# KiCad board polygonus-Shortage-Version.kicad_pcb (continued)
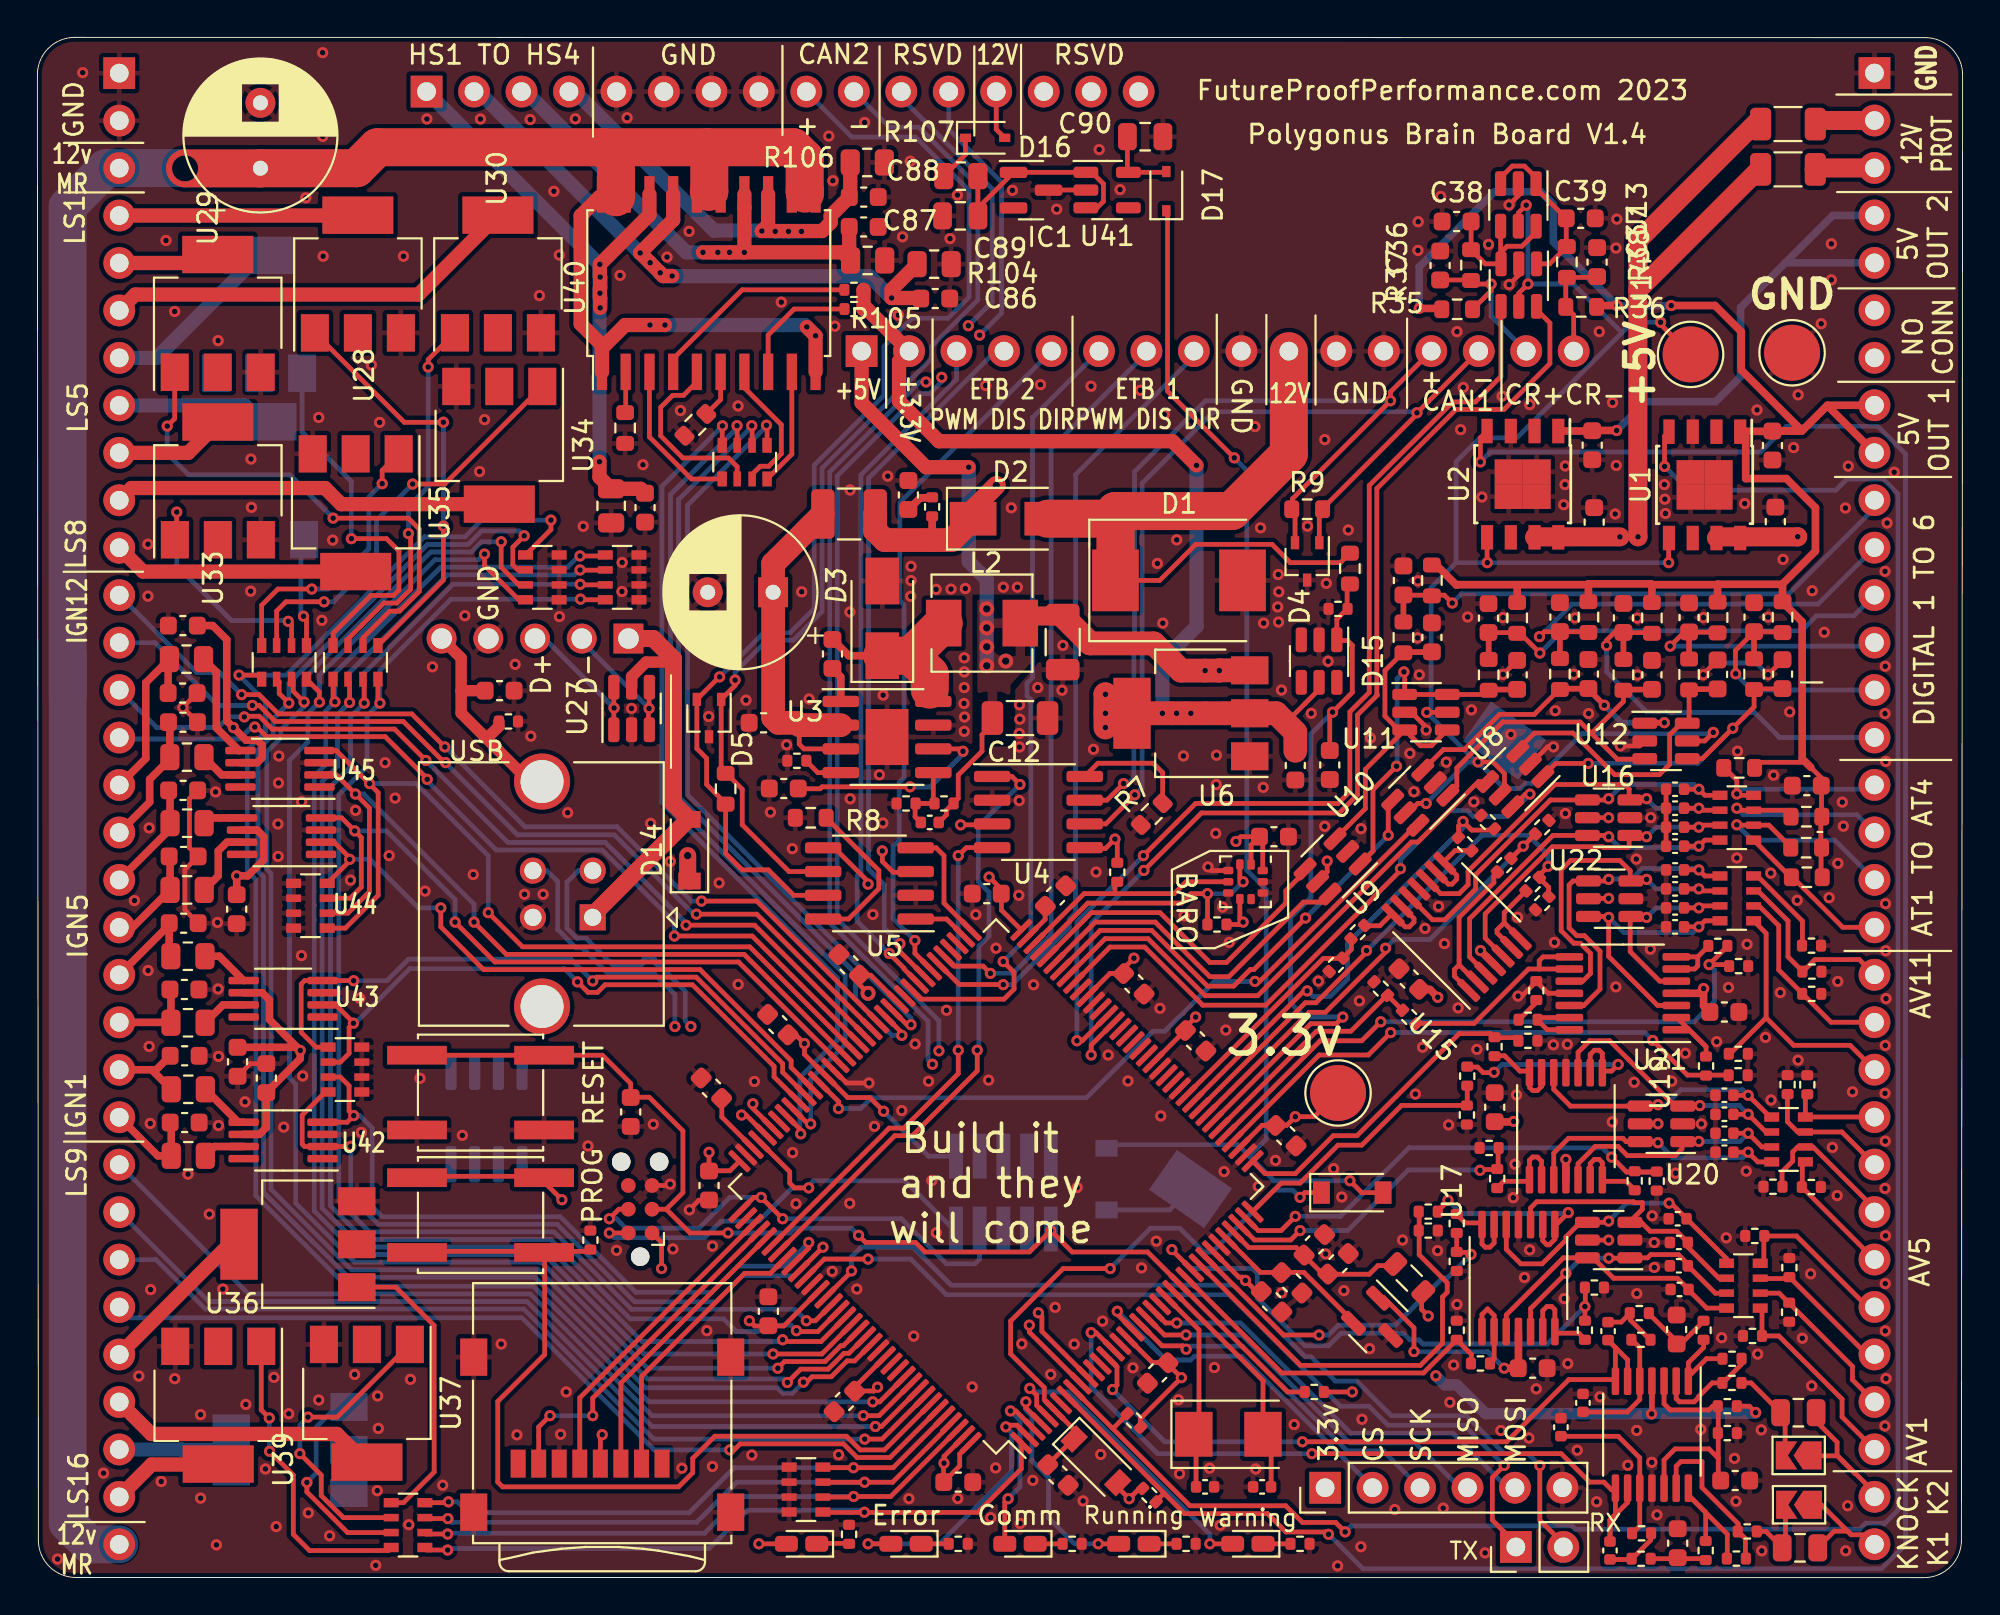
[diagram p0: board, top side]
## Routing (per net, layer and track width the routed paths; a pad name or vN(x,y) marks a point on that pad's centre or on a via; arc(x,y) is an arc through that point) (continued)
/LS6: length 6
  Top w0.762: U33.4 9.66,61.78 8.07,60.2 J4.9
/LS7: length 21
  Top w0.762: U34.4 16.25,57.45 15.39,58.32 5.04,58.32 J4.10
/LS8: length 13.2
  Top w0.762: U35.4 5.66,53.85 J4.11
/LS9: length 48.7
  Top w0.254: v1(44.19,8.67) 45.03,8.67 U26.135
  Bottom w0.254: J4.24 11.29,15.19 26.37,15.19 32.88,8.67 v1(44.19,8.67)
/LS10: length 48.3
  Top w0.254: v1(44.84,8.09) 45.16,8.09 U26.136
  Bottom w0.254: J4.25 9.16,14.78 26.2,14.78 32.89,8.09 v1(44.84,8.09)
/LS11: length 48
  Top w0.254: U26.137 45.19,7.41 v1(44.27,7.41)
  Bottom w0.254: v1(44.27,7.41) 32.99,7.41 26.03,14.37 8.99,14.37 6.35,17.02 J4.26
/LS12: length 48.5
  Top w0.254: U26.139 45.62,6.43 43.86,6.43 43.13,7.16 37.6,7.16 37.28,6.84 v1(37.05,6.84)
  Bottom w0.254: J4.27 4.95,13.91 25.92,13.91 32.99,6.84 v1(37.05,6.84)
/LS13: length 8.9
  Top w0.762: J4.28 10.28,17.84 U36.4
/LS14: length 14.6
  Top w0.765: U37.4 17.53,6.18 16.02,7.69 6.09,7.69 J4.29
/LS15: length 6
  Bottom w0.762: U38.4 7.72,6.83 7.7,6.86 J4.30
/LS16: length 6
  Top w0.765: J4.31 6.11,6.05 9.65,6.05 U39.4
/mcu/AT1: length 24.9
  Top w0.254: 78.82,38.48 v1(79.5,39.15) 80.17,39.82 ; U26.44 68.04,30.26 68.91,30.26 72.13,33.48 v1(72.13,33.69)
  Bottom w0.254: v1(72.13,33.69) 72.59,34.15 74.5,34.15 v1(79.5,39.15)
/mcu/AT2: length 27.8
  Top w0.254: v1(80.83,38.07) 80.35,37.59 80.35,37.46 80.86,36.95 80.86,36.44 ; U26.45 67.84,30.77 68.41,30.77 71.11,33.47 v1(71.11,33.56)
  Bottom w0.254: v1(71.11,33.56) 77.28,39.73 79.77,39.73 80.83,38.67 v1(80.83,38.07)
/mcu/AT3: length 24.9
  Top w0.254: v1(67.94,31.4) 67.77,31.4 U26.46 ; 76.04,39.6 76.04,40.23 v1(76.28,40.47) 76.74,40.01 77.79,40.01
  Bottom w0.254: v1(76.28,40.47) 76.28,40.12 70.1,33.94 70.1,32.04 69.16,31.1 68.24,31.1 v1(67.94,31.4)
/mcu/AT4: length 12.6
  Top w0.254: 70.3,34.2 70.3,33.62 69.82,33.14 68.8,33.14 U26.47
/mcu/AUX_SPI_CS: length 19.2
  Top w0.254: U26.18 57.78,14.1 v1(57.78,14.26)
  Bottom w0.254: v1(57.78,14.26) 60.39,11.65 61.7,11.65 61.91,11.85 64.43,11.85 71.44,4.84 J11.2
/mcu/AUX_SPI_MISO: length 20.9
  Top w0.254: U26.20 60.31,12.99 v1(61.46,12.99)
  Bottom w0.254: v1(61.46,12.99) 64.44,12.99 70.21,7.22 73.71,7.22 76.11,4.81 J11.4
/mcu/AUX_SPI_MOSI: length 23.3
  Top w0.254: U26.21 60.37,13.63 v1(60.96,13.63)
  Bottom w0.254: J11.5 78.65,4.81 75.74,7.73 70.28,7.73 64.37,13.63 v1(60.96,13.63)
/mcu/AUX_SPI_SCK: length 18.7
  Top w0.254: v1(61.46,12.22) 61.28,12.41 60.18,12.41 U26.19
  Bottom w0.254: v1(61.46,12.22) 61.62,12.38 64.47,12.38 70.08,6.77 72.01,6.77 J11.3
/mcu/BARO_SCL: length 14.9
  Top w0.254: U24.2 64.34,37.42 v1(64.51,37.24) ; 62.61,34.98 v1(62.61,36.61) 61.72,36.61 61.21,36.1 56.2,36.1 U26.69
  Bottom w0.254: v1(62.61,36.61) 63.88,36.61 v1(64.51,37.24)
/mcu/BARO_SDA: length 12.4
  Top w0.254: 57.65,36.61 57.65,37.14 57.78,37.27 ; 57.65,36.61 56,36.61 U26.70 ; 57.65,36.61 60.83,36.61 61.46,37.24 U24.4
/mcu/BOOT0: length 48.9
  Top w0.254: 29.59,17.58 29.47,17.46 27.14,17.46 ; 27.14,17.46 20.34,17.46 ; 27.14,17.46 27.14,11.94 24.63,9.43 24.63,5.11 24.89,4.86 34.31,4.86 35.06,5.62 35.06,6.38 36.25,7.57 43.3,7.57 44.03,6.84 45.32,6.84 U26.138
/mcu/CAN2_RX: length 6.3
  Top w0.254: U5.4 48.09,39.06 48.51,38.64 48.51,36.1 49.94,34.67 U26.73
/mcu/CAN2_TX: length 3
  Top w0.254: U5.1 48.65,35.25 U26.74
/mcu/CAN_RX: length 27.4
  Top w0.254: v1(49.27,28.23) 49.27,26.98 46.36,24.06 45.58,24.06 U26.114 ; U4.4 49.7,39.07 v1(49.27,38.64)
  Bottom w0.254: v1(49.27,38.64) v1(49.27,28.23)
/mcu/CAN_TX: length 33
  Top w0.254: U4.1 52.14,42.88 v1(52.57,42.45) ; U26.115 45.88,23.65 46.81,23.65 50.29,27.13 v1(50.29,28.23)
  Bottom w0.254: v1(50.29,28.23) 50.37,28.31 50.37,33.79 50.92,34.34 50.92,36.68 50.34,37.26 50.34,40.22 v1(52.57,42.45)
/mcu/DIGITAL1: length 38.9
  Top w0.254: 73.55,40.21 73.55,40.06 65.4,31.91 v1(65.15,31.91) ; v1(42.86,25.1) 42.86,25.48 U26.96
  Bottom w0.254: v1(65.15,31.91) 62.99,31.91 60.32,29.24 59.68,29.24 56.13,25.69 44.63,25.69 44.04,25.1 v1(42.86,25.1)
/mcu/DIGITAL2: length 32.9
  Top w0.254: v1(72.93,37.94) 72.93,37.85 65.72,30.64 62.35,30.64 59.24,33.75 57.39,33.75 U26.64 ; v1(79.86,41.93) 79.61,41.93 U8.6
  Bottom w0.254: v1(79.86,41.93) 78.66,40.74 76.83,40.74 76.52,41.05 76.04,41.05 76.04,41.05 75.55,41.05 72.93,38.43 v1(72.93,37.94)
/mcu/DIGITAL3: length 29.3
  Top w0.254: U26.65 57.13,34.2 59.43,34.2 62.48,31.15 65.29,31.15 73.52,39.37 73.87,39.37 77.1,42.6 U8.4
/mcu/DIGITAL4: length 18.7
  Top w0.254: U9.6 68.74,36.16 67.74,36.16 63.75,32.16 62.73,32.16 59.81,35.08 56.6,35.08 U26.67
/mcu/DIGITAL5: length 24.9
  Top w0.254: v1(72.28,39.73) 72.28,41.37 U10.4 ; U26.66 56.86,34.64 59.62,34.64 62.61,31.66 64,31.66 64.89,32.54 65.09,32.54 v1(67.85,35.3)
  Bottom w0.254: v1(72.28,39.73) v1(67.85,35.3)
/mcu/DIGITAL6: length 18.2
  Top w0.254: U26.68 56.4,35.59 60.07,35.59 62.73,32.93 63.62,32.93 66.8,36.1 66.8,36.77 67.82,37.79
/mcu/LED1: length 14.5
  Top w0.254: D10.2 v1(44.44,1.81) ; v1(51.82,8.07) 51.91,8.16 52.41,8.16 U26.2
  Bottom w0.254: v1(44.44,1.81) 48.25,1.81 52.12,5.68 52.12,7.77 v1(51.82,8.07)
/mcu/LED2: length 9.4
  Top w0.254: U26.3 52.35,8.92 v1(52.06,8.92) ; v1(51.94,4.22) 51.76,4.05 D11.2
  Bottom w0.254: v1(51.94,4.22) 52.57,4.86 52.57,8.41 v1(52.06,8.92)
/mcu/LED3: length 12.5
  Top w0.254: D12.2 v1(56.76,1.81) ; U26.4 52.89,9.09 v1(52.89,9.41)
  Bottom w0.254: v1(56.76,1.81) 55.49,1.81 54.1,3.21 54.1,5.37 53.21,6.26 53.21,8.66 52.89,8.98 v1(52.89,9.41)
/mcu/LED4: length 16.5
  Top w0.254: U26.5 53.47,9.22 53.47,9.76 v1(53.1,10.13) ; v1(62.73,1.81) D13.2
  Bottom w0.254: v1(53.1,10.13) 53.29,9.94 55.11,9.94 62.73,2.32 v1(62.73,1.81)
/mcu/nRESET: length 61.1
  Top w0.254: v1(43.94,18.32) 44.32,17.94 46.98,17.94 47.49,17.43 53.08,17.43 v1(54.22,18.57) 55.37,17.43 59.4,17.43 U26.25 66.89,9.94 67.84,9.94 ; SW1.1 SW1.1 30.23,27.96 31.74,26.45 31.74,25.71 32.74,25.71 34.54,23.91 34.54,20.61 33.65,19.72 ; J9.3 33.65,19.72 ; 33.65,19.72 34.92,18.45 v1(36.95,18.45)
  Bottom w0.254: J8.10 v1(54.22,18.57) ; v1(43.94,18.32) 43.56,18.7 40.51,18.7 40.25,18.45 v1(36.95,18.45)
/mcu/SD_CS: length 15
  Top w0.254: J10.2 32.32,10.77 37.84,16.29 39.22,16.29 U26.116
/mcu/SD_MISO: length 18.7
  Top w0.254: J10.7 26.82,8.06 v1(27.43,8.67) ; v1(29.71,8.67) 29.71,9.61 U26.112
  Bottom w0.254: v1(27.43,8.67) v1(29.71,8.67)
/mcu/SD_MOSI: length 15.3
  Top w0.254: U26.113 31.22,10.41 J10.3
/mcu/SD_SCK: length 16.6
  Top w0.254: J10.5 29.02,9.63 U26.111
/mcu/SWCLK: length 26.6
  Top w0.254: v1(30.6,19.21) 31.11,19.72 J9.4 ; v1(39.87,19.21) v1(38.73,20.35) 38.33,20.35 U26.109
  Bottom w0.254: v1(38.73,20.35) 37.05,20.35 35.39,18.7 31.49,18.7 30.98,19.21 v1(30.6,19.21) ; v1(39.87,19.21) 46.22,19.21 48.64,16.8 50.16,16.8 50.41,17.05 J8.4
/mcu/SWDIO: length 26.1
  Top w0.254: J9.2 v1(30.6,18.45) ; v1(41.27,20.86) 40.51,20.86 40.25,21.11 40.25,21.72 U26.105
  Bottom w0.254: v1(30.6,18.45) 30.86,18.19 35.69,18.19 36.58,19.08 38.6,19.08 40.38,20.86 v1(41.27,20.86) 41.27,20.99 41.52,21.24 46.41,21.24 48.99,18.66 J8.2
/mcu/UART_RX: length 49.4
  Top w0.254: 81.66,1.81 80.39,3.08 v1(80.39,6) ; U26.122 43.56,16.38 v1(43.56,16.42)
  Bottom w0.254: v1(43.56,16.42) 43.56,17.18 44.06,17.69 46.86,17.69 48.89,15.65 64,15.65 67.84,11.82 68.14,11.82 69.44,10.52 70.59,10.52 72.44,8.67 76.45,8.67 78.48,6.64 79.75,6.64 v1(80.39,6)
/mcu/UART_TX: length 47.4
  Top w0.254: v1(44.44,17.05) 42.1,17.05 U26.119 ; v1(78.48,6) 77.85,5.37 77.85,3.08 79.12,1.81
  Bottom w0.254: v1(78.48,6) 76.32,8.16 72.26,8.16 71.24,9.18 69.72,9.18 63.75,15.15 48.64,15.15 46.73,17.05 v1(44.44,17.05)
/mcu/VR_1: length 58.6
  Top w0.254: v3(59.21,37.85) 62.28,40.93 69.66,40.93 70.63,41.9 70.63,46.17 71.69,47.23 71.67,47.26 71.67,58.29 75.9,62.52 78.47,62.52 80.93,64.98 80.93,67.15 80.21,67.86 U14.6 ; U26.58 56.38,28.5 v3(56.38,27.97)
  Bottom w0.254: v3(56.38,27.97) 56.38,35.03 v3(59.21,37.85)
/mcu/VR_2: length 56
  Top w0.254: U26.59 55.91,28.73 v3(55.62,28.73) ; v3(59.18,38.64) 60.95,40.42 ; 60.95,40.42 61.97,41.43 69.59,41.43 70.22,42.07 70.22,46.34 71.26,47.37 71.26,58.45 75.73,62.93 76.94,62.93 78.3,64.29 78.3,68.03 U14.4
  Bottom w0.254: v3(55.62,28.73) 55.62,35.08 v3(59.18,38.64)
/Perm_Live: length 2.7
  Top w0.254: D16.2 51.3,77.51 J7.13
/quad_analog3/IN4: length 4.9
  Top w0.254: 94.44,33.83 94.44,35.14 92.02,37.55 RN4.4
/quad_analog3/OUT4: length 1.3
  Top w0.254: 79.28,29.86 80.2,30.78
/RC1: length 81.2
  Top w0.254: U26.10 55.82,10.39 53.07,13.14 v1(53.07,13.51)
  In1.Cu w0.254: v1(49.81,67) 49.78,66.98 48.79,66.98 47.86,66.05 47.86,64.49 47.55,64.18 v1(47.55,63.99) ; v1(53.07,13.51) 51.02,15.57 51.02,24.47 48.01,27.48 v1(47.89,27.48)
  Bottom w0.254: J7.11 46.22,79.2 51.09,74.33 51.09,68.29 v1(49.81,67) ; v1(47.55,63.99) 47.21,63.99 42.39,59.18 42.39,35.05 47.66,29.78 47.66,28.68 47.66,27.71 v1(47.89,27.48)
/RC2: length 80.4
  Top w0.254: U26.11 53.75,13.18 53.75,13.99 v1(53.56,14.18)
  In1.Cu w0.254: v1(53.56,14.18) 53.24,14.18 51.47,15.94 51.47,24.73 48.24,27.97 v1(48.24,28.19) ; v1(48.39,64.24) 48.41,64.27 49.61,64.27 50.44,65.1 50.44,66.47 v1(50.41,66.5)
  Bottom w0.254: J7.12 48.76,77.51 51.59,74.68 51.59,67.68 v1(50.41,66.5) ; v1(48.24,28.19) 48.24,29.81 42.8,35.24 42.8,58.96 47.2,63.37 47.74,63.37 48.39,64.01 v1(48.39,64.24)
/USB_D+: length 41.2
  Top w0.254: U26.104 38.97,23.7 37.92,24.76 v3(37.68,24.76) ; U27.6 30.84,46.56 v3(30.86,46.54) 30.84,46.53 U27.1
  In1.Cu w0.254: v3(30.86,46.54) 31.49,45.91 31.49,43.17 27.88,39.56 27.88,38.24 27.48,37.84 J14.3 ; v3(37.68,24.76) 37.68,25 34.28,28.39 34.28,29.32 v3(34.11,29.5)
  Bottom w0.254: v3(34.11,29.5) 34.11,31.21 33.04,32.29 30.57,32.29 29.15,33.71 28.81,33.71 27.84,34.68 27.84,37.26 27.26,37.84 J14.3 ; J13.3 27.13,50.26 30.85,46.54 v3(30.86,46.54)
/USB_D-: length 40.9
  Top w0.254: U27.4 32.73,47.64 v3(32.73,46.52) 32.69,46.48 32.69,45.43 U27.3 ; U26.103 39.33,24.06 38.28,25.12 v3(38.28,25.36)
  In1.Cu w0.254: J14.2 28.91,37.84 28.41,38.33 28.41,39.33 32,42.92 32,45.79 v3(32.73,46.52) ; v3(34.97,29.5) 34.79,29.32 34.79,28.6 38.03,25.36 v3(38.28,25.36)
  Bottom w0.254: J13.2 29.13,50.12 v3(32.73,46.52) ; v3(34.97,29.5) 34.67,29.8 34.67,31.38 33.25,32.8 33.2,32.8 33.16,32.82 33.12,32.84 33.08,32.88 33.06,32.92 33.04,32.96 33.03,33.06 33.01,33.1 32.99,33.14 32.96,33.18 32.92,33.2 32.87,33.22 32.82,33.22 32.65,33.22 32.6,33.22 32.56,33.2 32.52,33.18 32.48,33.14 32.46,33.1 32.44,33.06 32.43,32.96 32.41,32.92 32.39,32.88 32.36,32.84 32.32,32.82 32.27,32.8 32.22,32.8 30.78,32.8 29.36,34.22 28.87,34.22 28.33,34.76 28.33,37.23 28.95,37.84 J14.2
/USB_SHIELD: length 26.3
  Top w0.61: 24.04,44.9 26.29,42.65 27,42.65 ; 24.04,44.9 24.69,45.56 R98.1 ; 24.04,44.9 22.67,46.27 22.67,47.46 ; 22.67,47.46 22.67,49.22 J13.5 ; 22.67,47.46 22.68,47.47 C83.1
  In1.Cu w0.762: 27,42.65 25.14,40.79 25.14,32.47 27,30.61
/VR1+: length 5.8
  Top w0.254: J6.16 82.2,67.59 R36.2 81.78,69.53 R38.2 83.41,69.59 C37.1
/VR2+: length 8.9
  Top w0.254: C36.1 76.68,69.45 R37.2 76.9,69.23 v1(77.78,69.23) 77.78,68.87 R35.2
  Bottom w0.254: J6.15 77.78,67.52 v1(77.78,69.23)
Net-(BT1-Pad1): length 5
  Bottom w0.254: D6.2 60.58,19.68 BT1.1
Net-(C4-Pad1): length 1.5
  Top w0.406: 47.87,57.79 47.24,57.79 46.6,57.16
Net-(C6-Pad1): length 19.1
  Top w0.254: 42.99,44.36 41.02,44.36 40.76,44.61 40.76,45.63 40.63,45.75
  Top w1.27: L1.2 39.36,54.26 C6.1 39.36,46.03 39.64,45.75 40.63,45.75 ; 40.76,45.63 42.99,45.63
Net-(C8-Pad1): length 11.2
  Top w0.254: 40.89,42.22 41.88,42.22 41.98,42.33 v1(46.69,42.33) ; v1(49.52,44.23) 49.4,44.36 U3.6
  Bottom w0.254: v1(49.52,44.23) 49.52,44.08 47.76,42.31 46.7,42.31 v1(46.69,42.33)
Net-(C10-Pad1): length 1.9
  Top w0.406: 42.99,46.9 42.99,48.2 42.54,48.65
Net-(C10-Pad2): length 9.3
  Top w0.406: D3.1 43.42,49.34 42.54,50.22
  Top w2.032: 47.75,47.53 47.75,48.34 46.74,49.34 ; D3.1 46.74,49.34 ; 46.74,49.34 L2.1
Net-(C11-Pad2): length 3.9
  Top w0.254: U3.5 47.94,41.52 48.02,41.43 46.96,41.43 46.96,40.72 47.26,40.42
Net-(C16-Pad1): length 5.2
  Top w0.254: 91.15,10.42 91.69,10.42 93.51,8.6 JP1.2
Net-(C17-Pad1): length 4.1
  Top w0.254: JP2.2 93.53,1.76 93.37,1.59 92.49,2.47 91.97,2.47
Net-(C18-Pad2): length 4.2
  Top w0.254: 89.15,13.73 87.92,12.49 87.71,12.49 87.71,12.64 86.19,14.16
Net-(C19-Pad2): length 3
  Top w0.254: R18.1 89.19,1.01 86.29,1.01
Net-(C20-Pad1): length 3.2
  Top w0.254: 86.28,12.73 85.22,13.79 85.22,14.16 84.74,13.68 84.04,13.68
Net-(C21-Pad1): length 3
  Top w0.254: 84.14,0.97 85.28,0.97 86.32,2 86.32,2.37
Net-(C22-Pad2): length 6.7
  Top w0.254: 85.31,12.73 85.73,12.31 U7.5 85.73,9.53 85.07,8.87 82.7,8.87
Net-(C23-Pad2): length 8.9
  Top w0.254: 81.52,7.57 84.58,7.57 85.73,6.41 85.73,2.76 85.35,2.37
Net-(C30-Pad1): length 17.5
  Top w0.254: U10.1 75.95,42.36 75.95,43.34 78.4,45.79 82.55,45.79 84.53,43.81 85.33,43.81 ; 83.15,45.19 84.86,46.89 84.86,47.53
  Top w0.305: 84.86,47.53 86.39,47.53
Net-(C31-Pad1): length 18.5
  Top w0.254: v1(82.98,43.58) 81.24,43.58 80.55,42.89 U8.1 ; U12.4 89.08,43.83 v1(90.71,45.46) 91.85,46.6 91.85,47.57 93.37,47.57
  Bottom w0.254: v1(90.71,45.46) 88.83,43.58 82.98,43.58 v1(82.98,43.58)
Net-(C32-Pad1): length 15.9
  Top w0.254: 88.37,47.55 88.37,45.83 U12.6 87.96,45.73 87.33,45.11 87.33,43.53 86.78,42.98 84.39,42.98 82.17,45.2 80.1,45.2 79.15,44.25
  Top w0.305: 88.37,47.55 89.9,47.55
Net-(C33-Pad1): length 19
  Top w0.254: 77.38,47.26 77.65,47.53 77.39,47.27 U11.6 73.16,47.27 73.16,48.43 v1(73.12,48.48) ; U9.1 71.46,38.88 71.46,42.17 v1(72.72,43.43)
  Top w0.305: 77.65,47.53 79.17,47.53
  Bottom w0.254: v1(73.12,48.48) 72.75,48.11 72.75,43.46 v1(72.72,43.43)
Net-(C34-Pad1): length 16.6
  Top w0.254: U10.3 75.22,44.31 76.34,44.31 78.23,46.2 80.09,46.2 81.46,47.57
  Top w0.305: v1(83.84,46.69) 82.99,47.54 82.99,47.57 81.46,47.57 ; U12.1 86.03,45.76 v1(87.05,45.76)
  Bottom w0.305: v1(87.05,45.76) 84.77,45.76 v1(83.84,46.69)
Net-(C35-Pad1): length 17.1
  Top w0.254: 73.16,45.37 74,44.52 74.59,44.52 U11.4 ; 73.16,45.37 72.84,45.37 72.1,46.11 72.1,48.55 73.09,49.53 ; 73.16,45.37 71.05,43.26 71.05,41.16 U9.3
  Top w0.305: 73.09,49.53 74.61,49.53
Net-(C38-Pad1): length 8.7
  Top w0.254: U14.3 78.29,70.34 U13.4 ; U14.3 78.31,70.93 78.64,71.26 79.43,71.26 80.19,72.01 U13.6 ; U14.3 77.47,70.31 R37.1 76.71,71.08 C38.1
Net-(C39-Pad1): length 9.1
  Top w0.254: U14.1 80.91,70.31 R38.1 81.8,71.28 C39.1 80.19,74.36 U13.1 80.19,74.93 79.57,75.55 78.91,75.55 78.29,74.93 U13.3
Net-(C42-Pad1): length 19.8
  Top w0.254: v1(84.07,39.66) 84,39.72 81.09,39.72 76.63,35.27 76.63,33.22 77.57,32.28 ; 88.11,39.15 v1(88.89,39.15) 89.22,39.47 RN1.8
  Bottom w0.254: v1(88.89,39.15) 88.82,39.08 84.65,39.08 v1(84.07,39.66)
Net-(C43-Pad1): length 18.5
  Top w0.254: 78.49,33.2 77.46,34.23 77.46,35.53 81.06,39.12 83.75,39.12 83.79,39.08 85.1,39.08 85.17,39.14 85.17,39.72 86.03,39.72 v1(86.1,39.66) ; 88.11,40.16 v1(88.89,40.16) 89,40.27 RN1.7
  Bottom w0.254: v1(88.89,40.16) 86.61,40.16 v1(86.1,39.66)
Net-(C44-Pad1): length 20.6
  Top w0.254: v1(86.1,41.69) 86.03,41.62 85.17,41.62 85.17,42.2 84.92,42.45 81.19,42.45 76.55,37.81 76.55,37.09 76.07,36.61 75.08,36.61 74.31,37.38 ; RN1.6 89,41.07 v1(88.89,41.18) 88.11,41.18
  Bottom w0.254: v1(86.1,41.69) 86.61,41.18 v1(88.89,41.18)
Net-(C45-Pad1): length 21.6
  Top w0.254: RN1.5 89.22,41.87 v1(88.89,42.2) 88.11,42.2 ; v1(84.07,41.69) 84,41.62 80.95,41.62 76.96,37.62 76.96,36.86 75.31,35.21 74.64,35.21 73.4,36.46
  Bottom w0.254: v1(88.89,42.2) 88.64,42.45 84.83,42.45 v1(84.07,41.69)
Net-(C47-Pad1): length 15.2
  Top w0.254: RN2.8 89.32,14.43 88.35,15.39 88.35,15.42 87.75,16.02 84.33,16.02 83.24,17.12 81.65,17.12 78.59,14.06 78.59,13.08
Net-(C48-Pad1): length 13.8
  Top w0.254: v1(84.08,17.1) 85.15,17.1 85.17,17.12 86.15,17.12 86.33,17.29 87.8,17.29 88.31,16.77 ; v1(81.78,16.29) 79.89,14.4 79.89,13.08 ; RN2.7 89.78,15.23 88.31,16.69
  Bottom w0.254: v1(81.78,16.29) 82.59,17.1 v1(84.08,17.1)
Net-(C49-Pad1): length 14.9
  Top w0.254: RN2.6 89.97,16.03 88.31,17.69 88.31,17.94 87.71,18.54 86.29,18.54 85.82,19.02 85.17,19.02 85.88,19.72 85.88,20.07 85.45,20.07 85.4,20.12 80.22,20.12 79.89,19.79 79.89,18.98
Net-(C50-Pad1): length 16.4
  Top w0.254: 78.59,18.98 78.59,17.57 79.37,16.8 80.51,16.8 81.78,18.07 81.78,18.24 82.56,19.02 84,19.02 v1(84.07,19.08) ; v1(87.3,20.04) 87.41,20.04 90.38,17.07 RN2.5
  Bottom w0.254: v1(84.07,19.08) 85.03,20.04 v1(87.3,20.04)
Net-(C52-Pad1): length 15.1
  Top w0.254: 90.75,22.77 v1(91.53,22.77) 92.05,22.25 RN3.8 ; 81.13,21.21 81.13,22.73 81.92,23.51 84.83,23.51 85.01,23.34 86.65,23.34 v1(86.71,23.28)
  Bottom w0.254: v1(91.53,22.77) 91.23,22.47 87.52,22.47 v1(86.71,23.28)
Net-(C53-Pad1): length 13.7
  Top w0.254: v1(88.9,23.34) 88.89,23.34 87.99,23.34 87.99,22.95 87.63,22.59 85.07,22.59 84.57,23.08 83.36,23.08 82.43,22.16 82.43,21.21 ; RN3.7 92.27,23.05 v1(91.53,23.78) 90.75,23.78
  Bottom w0.254: v1(88.9,23.34) 91.09,23.34 v1(91.53,23.78)
Net-(C54-Pad1): length 14.4
  Top w0.254: 90.75,24.8 v1(91.53,24.8) 92.48,23.85 RN3.6 ; v1(88.95,25.26) 88.92,25.24 87.62,25.24 85.16,27.7 84.13,28.73 83.05,28.73 82.43,28.11 82.43,27.11
  Bottom w0.254: v1(91.53,24.8) 91.07,25.26 v1(88.95,25.26)
Net-(C55-Pad1): length 14.8
  Top w0.254: RN3.5 92.71,24.65 91.84,25.51 ; 85.06,25.24 85.79,25.24 85.79,25.24 86.64,25.24 v1(86.71,25.31) ; 81.13,27.11 81.13,26.13 82.03,25.23 85.05,25.23 85.06,25.25 ; 90.75,25.82 v1(91.53,25.82) 91.86,25.49
  Bottom w0.254: v1(91.53,25.82) 91.23,26.12 87.94,26.12 87.13,25.31 v1(86.71,25.31)
Net-(C57-Pad1): length 15.3
  Top w0.254: 88.11,34.83 v1(88.89,34.83) 89.22,35.15 RN4.8 ; 87.78,30.62 86.69,30.62 84.07,33.25 v1(84.07,35.34) 84.02,35.39 83.02,35.39
  Bottom w0.254: v1(84.07,35.34) 84.88,34.53 88.6,34.53 v1(88.89,34.83)
Net-(C58-Pad1): length 11
  Top w0.254: v1(86.1,35.34) 86.05,35.39 85.22,35.39 85.22,33.5 86.8,31.92 87.78,31.92 ; 88.11,35.85 v1(88.89,35.85) 89,35.95 RN4.7
  Bottom w0.254: v1(86.1,35.34) 86.61,35.85 v1(88.89,35.85)
Net-(C59-Pad1): length 18.3
  Top w0.254: 88.11,36.86 v1(88.89,36.86) 89,36.75 RN4.6 ; v1(86.1,37.37) 86.02,37.29 85.22,37.29 85.22,37.83 84.67,38.39 82.04,38.39 81.53,37.88 81.53,34.62 82.2,33.95 82.56,33.95 83.1,33.41 83.1,32.34 82.68,31.92 81.88,31.92
  Bottom w0.254: v1(88.89,36.86) 86.61,36.86 v1(86.1,37.37)
Net-(C60-Pad1): length 18
  Top w0.254: v1(84.07,37.37) 83.99,37.29 82.17,37.29 81.95,37.07 81.95,34.77 82.37,34.36 82.77,34.36 83.61,33.52 83.61,31.49 82.74,30.62 81.88,30.62 ; RN4.5 89.22,37.55 v1(88.89,37.88) 88.11,37.88
  Bottom w0.254: v1(84.07,37.37) 84.09,37.39 85.3,37.39 85.86,37.95 88.82,37.95 v1(88.89,37.88)
Net-(C70-Pad1): length 8.7
  Top w0.254: 70.37,13.66 70.37,13.73 67.76,16.34 65.44,16.34 U26.32
Net-(C74-Pad1): length 11
  Top w0.254: U26.23 62.15,13.26 62.15,7.95 Y1.1 61.99,7.55 61.99,4.86
Net-(C75-Pad1): length 12.7
  Top w0.254: 66.01,4.86 66.01,7.24 Y1.2 65.57,10.55 U26.24
Net-(C77-Pad1): length 2
  Top w0.254: 53.92,35.92 53.92,35.23 U26.71
Net-(C78-Pad1): length 3.3
  Top w0.254: 36.62,25.64 36.62,24.65 U26.106
Net-(C80-Pad1): length 30.5
  Top w0.254: D7.1 67.81,20.61 v1(67.56,20.35) ; C80.1 55.44,7.42 D8.1 55.47,7.92 U26.6 53.87,9.52 53.87,10.17 52.07,11.97 52.07,13.73 54.88,16.54 v1(57.4,16.54)
  Bottom w0.254: v1(57.4,16.54) 59.56,18.7 61.12,18.7 62.39,17.43 62.86,17.43 66.16,20.73 67.18,20.73 v1(67.56,20.35)
Net-(C89-Pad1): length 12.3
  Top w0.254: R107.2 50.32,72.89 C89.1 50.33,73.31 IC1.1 52.23,75.21 U41.1 56.42,75.21 57.04,74.59 57.04,73.66 56.69,73.31 U41.3
Net-(C90-Pad2): length 4
  Top w0.254: C90.2 58.32,75.27 U41.5 60.36,75.21 D17.2
Net-(D9-Pad1): length 1.7
  Top w0.254: D9.1 41.72,1.83 43.43,1.83
Net-(D10-Pad1): length 1.5
  Top w0.254: D10.1 48.79,1.81
Net-(D11-Pad1): length 1.5
  Top w0.254: 54.88,1.81 D11.1
Net-(D12-Pad1): length 1.5
  Top w0.254: D12.1 60.98,1.81
Net-(D13-Pad1): length 1.5
  Top w0.254: D13.1 67.07,1.81
Net-(D14-Pad2): length 22.3
  Top w0.61: 34.03,49.18 33.85,49 32.57,49 31.79,48.23 U27.5
  Top w0.914: J13.1 32.95,50.26 34.03,49.18 34.03,41.44 D14.2 34.83,40.58 29.71,35.46
Net-(D16-Pad1): length 2.5
  Top w0.254: R107.1 49.66,76.17 D16.1
Net-(F1-Pad2): length 3.3
  Top w1.016: J5.3 95.14,75.45 95.06,75.37
Net-(F2-Pad1): length 3.3
  Top w0.254: 95.06,77.8 95.26,77.99
  Top w1.016: 95.26,77.99 J5.2
Net-(R3-Pad1): length 2.1
  Top w0.254: 41.12,43.72 41.75,43.09 42.99,43.09
Net-(R7-Pad2): length 6.3
  Top w0.254: R7.2 60.21,43.09 59.71,43.59 56.74,43.59 U4.8
Net-(R8-Pad2): length 8.6
  Top w0.254: U5.8 43.4,35.25 45.02,36.88 45.02,37.85 R8.2
Net-(R13-Pad1): length 5.7
  Top w0.254: 91.16,11.72 91.16,11.4 90.18,10.42 89.62,10.42 88.87,9.67 88.87,9.62 88.65,9.41 87.85,9.41 87.68,9.58 87.68,10.6
Net-(R14-Pad1): length 8.9
  Top w0.254: 87.68,4.7 87.68,5.96 87.93,6.21 89.06,6.21 89.06,4.82 91,2.88 91,2.47 91.39,2.08 91.39,1.02
Net-(R15-Pad1): length 4.9
  Top w0.254: 89.15,12.76 89.15,12.32 88.33,11.5 88.33,10.6 88.33,10.75 89.3,11.72 90.19,11.72
Net-(R16-Pad1): length 7.7
  Top w0.254: 89.26,1.93 89.26,3.5 88.33,4.43 88.33,4.7 88.33,4.41 90.42,2.33 90.42,1.02
Net-(R43-Pad2): length 8.5
  Top w0.254: 76.07,32.8 75.81,32.54 75.81,32.2 76.65,31.37 ; 76.07,32.8 76.07,35.34 77.93,37.2 77.93,37.58 78.14,37.79 ; 76.07,32.8 76.58,32.29
Net-(R44-Pad2): length 5.4
  Top w0.254: 79.41,34.12 78.48,35.05 ; 78.48,35.05 78.1,34.67 78.1,34.51 78.95,33.66 ; 78.48,35.05 78.48,35.59 79.66,36.77
Net-(R45-Pad2): length 4.5
  Top w0.254: 74.77,37.84 75.49,37.12 75.69,37.12 75.94,37.37 75.94,37.59 75.23,38.29 75.85,38.91 76.73,38.91
Net-(R46-Pad2): length 4.5
  Top w0.254: 70.99,34.89 71.83,34.89 72.48,35.54 73.18,34.83 73.4,34.83 73.65,35.08 73.65,35.28 72.94,36
Net-(R55-Pad2): length 4.6
  Top w0.254: 77.7,11.46 77.94,11.71 77.94,14.03 77.59,14.38 77.29,14.08 77.29,13.08
Net-(R56-Pad2): length 5
  Top w0.254: 80.54,13.08 80.54,14.29 80.77,14.51 81.02,14.51 81.19,14.34 81.19,13.08 82.47,13.08 82.8,12.76
Net-(R57-Pad2): length 11.2
  Top w0.254: 74.9,19.59 75.47,20.16 v1(75.47,20.2) ; v1(81.91,19.54) 81.36,18.98 81.19,18.98 81.19,18.11 80.89,17.81 80.77,17.81 80.54,18.04 80.54,18.98
  Bottom w0.254: v1(81.91,19.54) 81.86,19.49 76.18,19.49 v1(75.47,20.2)
Net-(R58-Pad2): length 4.6
  Top w0.254: 77.94,18.98 77.94,17.91 77.72,17.69 77.46,17.69 77.29,17.86 77.29,18.98 76.4,18.98 75.94,19.44
Net-(R67-Pad2): length 4.9
  Top w0.254: 78.11,20.87 78.45,21.21 79.83,21.21 79.83,22.34 80,22.51 80.26,22.51 80.48,22.29 80.48,21.21
Net-(R68-Pad2): length 4.7
  Top w0.254: 83.08,21.21 83.08,22.16 83.31,22.38 83.56,22.38 83.73,22.21 83.73,21.21 85.01,21.21 85.46,20.76
Net-(R69-Pad2): length 12
  Top w0.254: v1(84.58,27.46) 84.22,27.11 83.73,27.11 83.73,28.05 83.56,28.23 83.31,28.23 83.08,28 83.08,27.11 ; 76.5,27.33 77.06,27.33 77.36,27.03 77.92,27.03 v1(77.94,27.04)
  Bottom w0.254: v1(77.94,27.04) 78.36,27.46 v1(84.58,27.46)
Net-(R70-Pad2): length 4.7
  Top w0.254: 80.48,27.11 80.48,26.29 80.26,26.07 80,26.07 79.83,26.24 79.83,27.11 79.32,27.11 78.5,27.93 77.96,27.93
Net-(R79-Pad2): length 4.6
  Top w0.254: 87.78,29.32 88.37,29.32 89.28,28.41 89.28,27.87 ; 89.25,28.45 87.78,29.91 87.78,29.97
Net-(R80-Pad2): length 3.5
  Top w0.254: 87.78,32.57 88.67,32.57 88.84,32.74 88.84,33.22 ; 88.84,33.22 87.78,33.22 ; 88.84,33.22 89.43,33.81
Net-(R81-Pad2): length 11.4
  Top w0.254: 80.36,32.57 81.88,32.57 ; 80.36,32.57 79.78,32.57 76.87,29.66 73.74,29.66 ; 80.36,32.57 80.36,33.02 80.56,33.22 81.88,33.22
Net-(R82-Pad2): length 3.5
  Top w0.254: 81.88,29.97 80.36,29.97 80.25,29.86 80.78,29.32 81.88,29.32
Net-(R99-Pad1): length 11.4
  Top w0.254: R99.1 37.71,68.92 34.02,65.23 U40.4
Net-(R100-Pad1): length 6.6
  Top w0.254: U40.8 39.1,66.5 40.49,67.9 R100.1
Net-(R101-Pad1): length 2.2
  Top w0.254: R101.1 31.48,62.39 U40.2
Net-(R102-Pad1): length 2.6
  Top w0.254: R102.1 36.56,63.05 U40.6
Net-(R108-Pad2): length 2.3
  Top w0.405: U42.7 9.48,23.07 R108.2
Net-(R109-Pad2): length 2.8
  Top w0.405: R109.2 10.75,24.37 U42.5
Net-(R110-Pad2): length 2.5
  Top w0.405: U43.7 9.93,30.66 R110.2
Net-(R111-Pad2): length 2.6
  Top w0.405: R111.2 9.73,33.26 U43.5
Net-(R112-Pad2): length 3.9
  Top w0.405: R112.2 9.68,37.56 9.68,38.89 10.14,39.36 U44.7
Net-(R113-Pad2): length 2.1
  Top w0.405: U44.5 9.2,40.66 R113.2
Net-(R114-Pad2): length 2.3
  Top w0.405: U45.7 9.86,42.97 R114.2
Net-(R115-Pad2): length 5.8
  Top w0.406: U45.5 10.79,44.27 9.58,45.48 9.58,48.47 R115.2
Net-(RN6-Pad5): length 22.3
  Top w0.254: U28.1 19.63,61.84 21.72,61.84 ; v1(21.72,56.28) 21.72,53.39 RN6.5
  Bottom w0.254: v1(21.72,56.28) 21.72,61.84
  vias: v1(21.72,61.84)
Net-(RN6-Pad6): length 27.5
  Top w0.254: v1(6.95,61.63) 7.35,62.03 U29.1 ; RN6.6 17.42,50.29 18.86,51.73 19.37,51.73 20.43,52.79 20.43,56.12 19.85,56.7 v1(15.82,56.7)
  Bottom w0.254: v1(15.82,56.7) 13.5,59.02 8.09,59.02 6.95,60.16 v1(6.95,61.63)
Net-(RN6-Pad7): length 19.6
  Top w0.254: v1(19.85,55.88) 19.97,55.76 19.97,52.9 19.23,52.16 18.54,52.16 16.62,50.24 RN6.7 ; U30.1 20.91,65.19 v1(20.91,64.79)
  Bottom w0.254: v1(20.91,64.79) 20.91,58.39 19.85,57.33 v1(19.85,55.88)
Net-(RN6-Pad8): length 20
  Top w0.254: v1(16.8,55.61) 18.68,55.61 19.35,54.94 19.35,52.86 19.05,52.57 17.85,52.57 15.82,50.54 RN6.8
  Bottom w0.254: U31.1 14.16,61.31 16.8,58.67 v1(16.8,55.61)
